# Altium PCB NG2094.PcbDoc (part 1 of 3)
Units mm, origin at the board's own origin, x right, y up, seen from the top; angles counter-clockwise.
Board outline 90 x 30.3 mm, 6 copper layers (Top Layer, Inner Layer 1, Ground 1, Inner Layer 2, Ground 2, Bottom Layer), stack 1.576 mm thick; 164 components, 128 nets, 718 pads, 672 vias.
Unrouted connection lines stored in the file: 11.
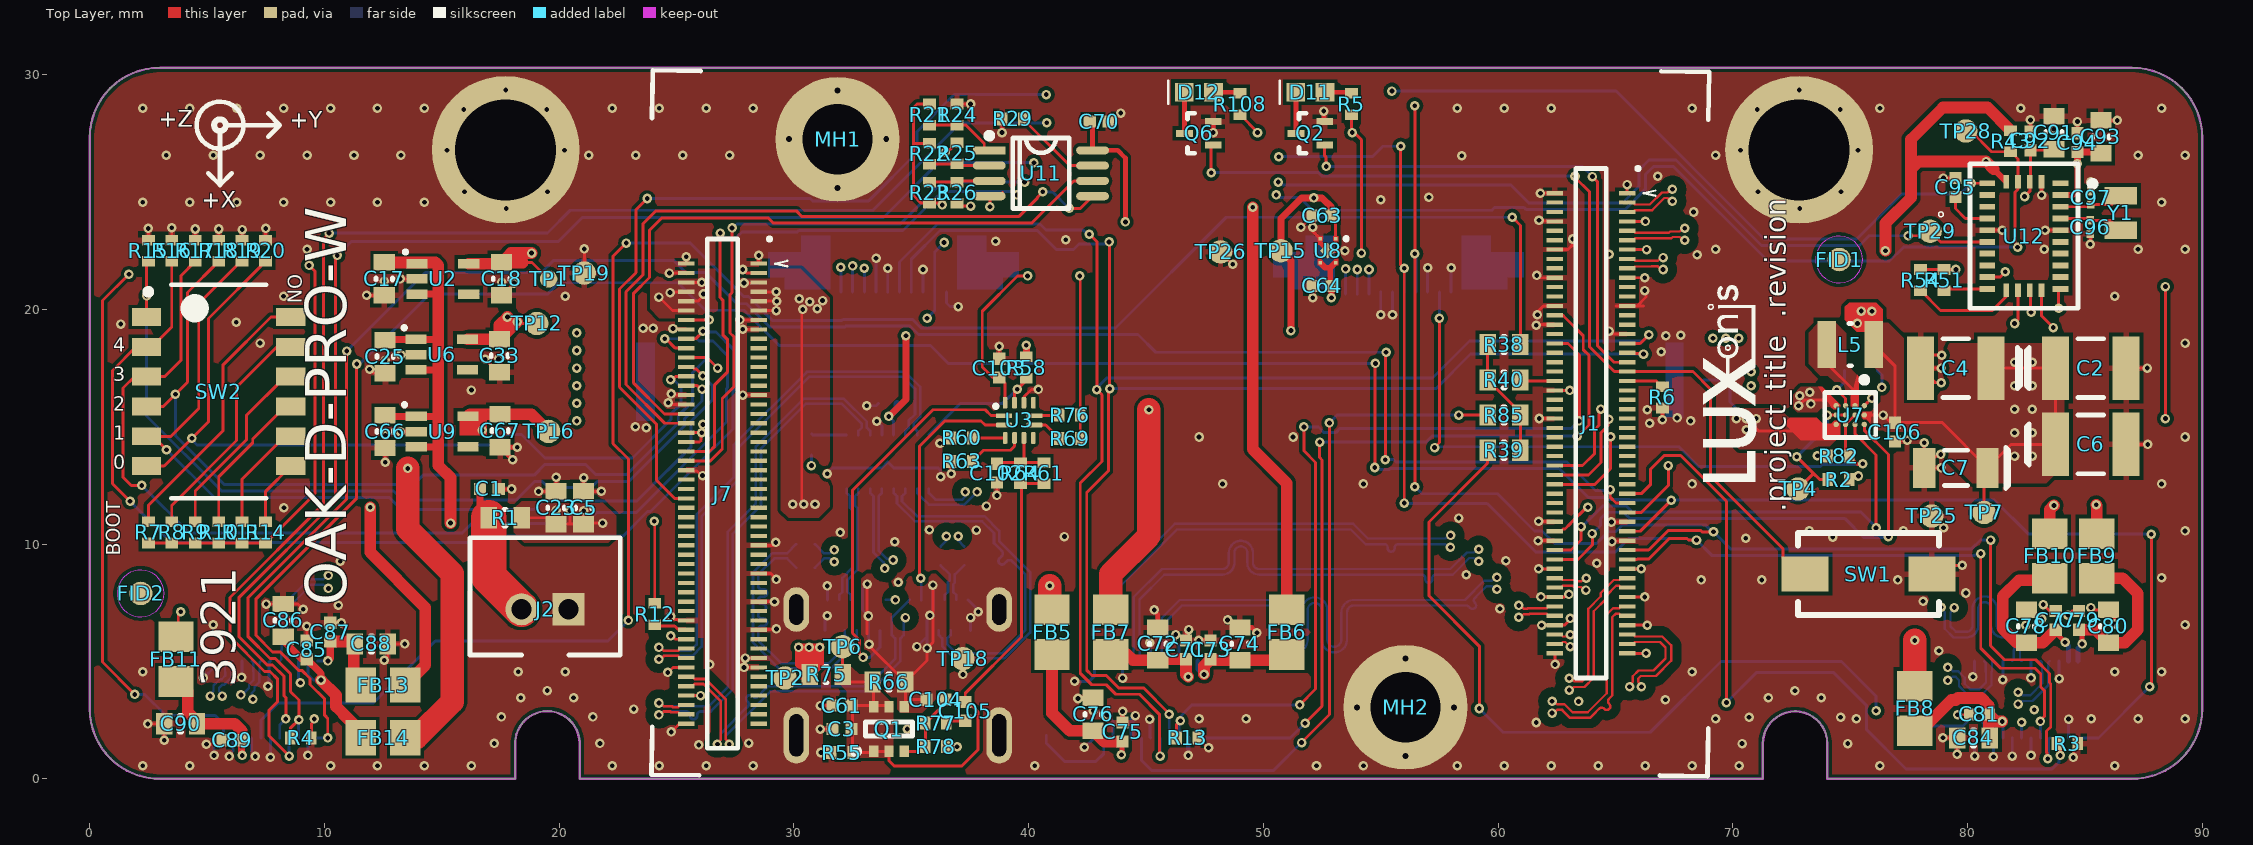
[diagram p0: Top Layer view]
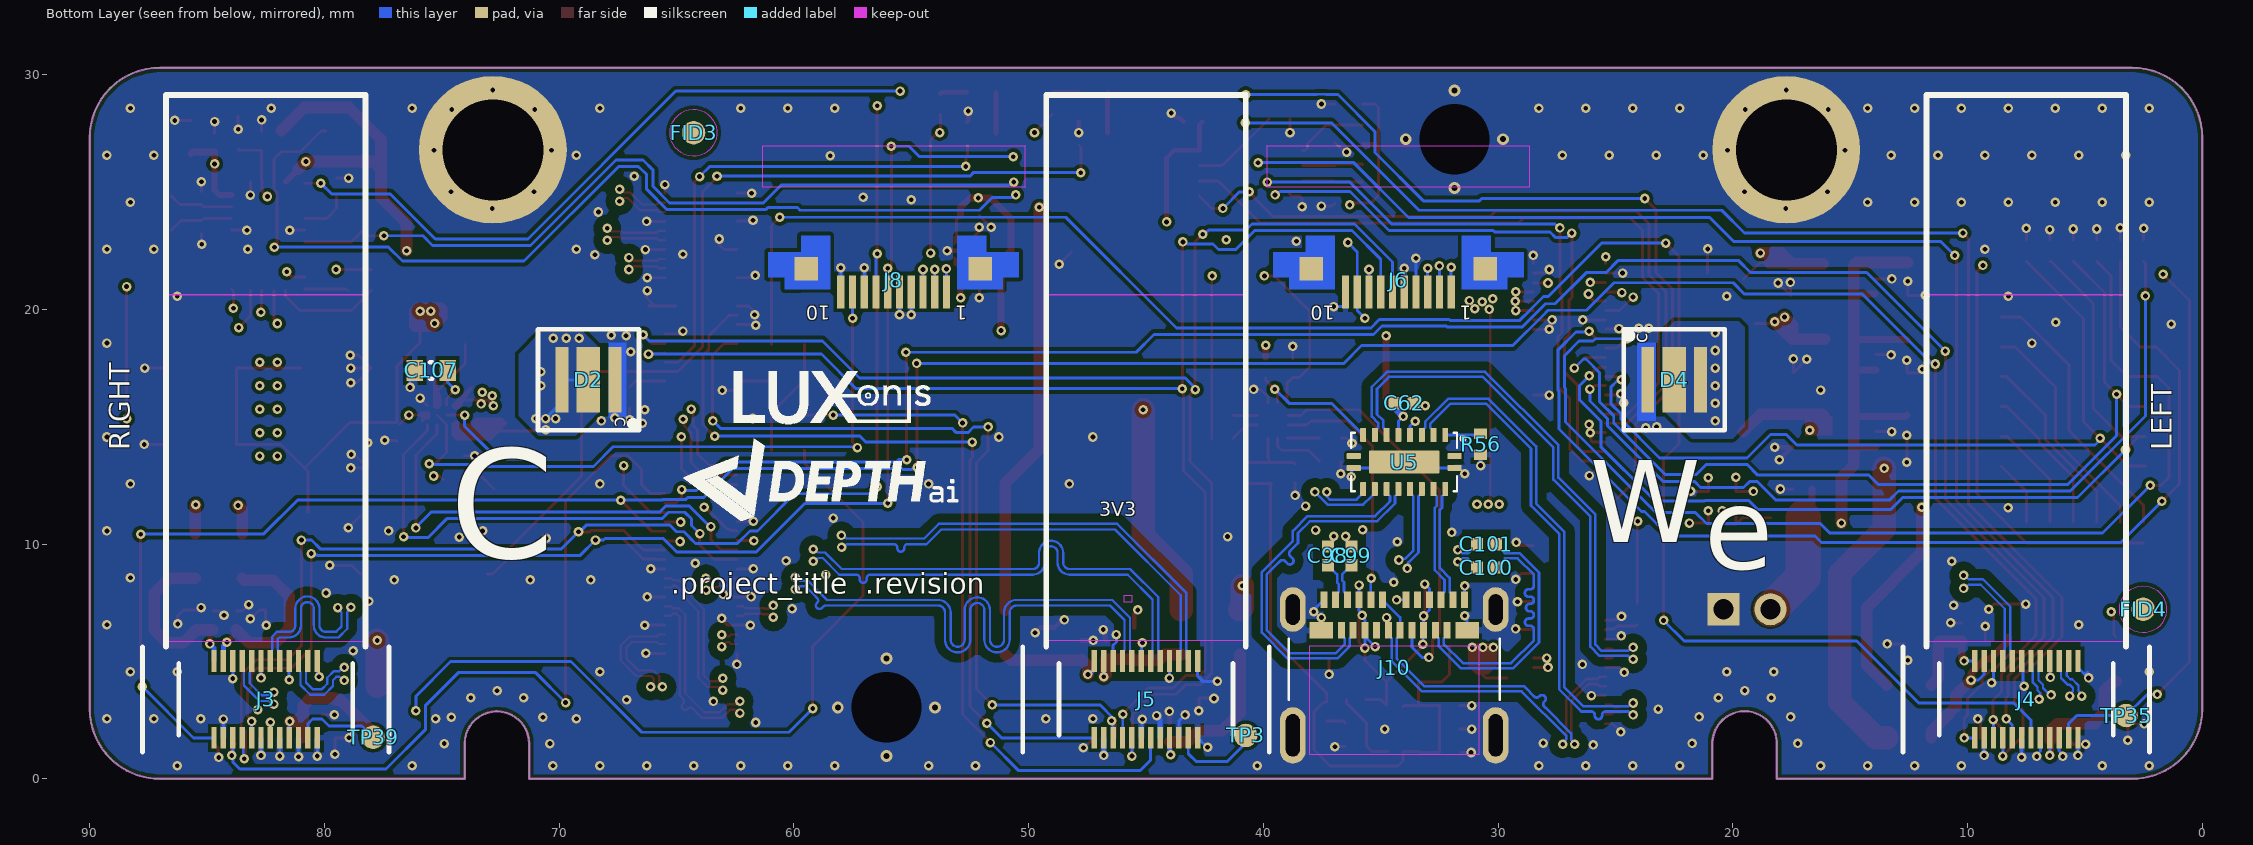
[diagram p1: Bottom Layer view, seen from below]
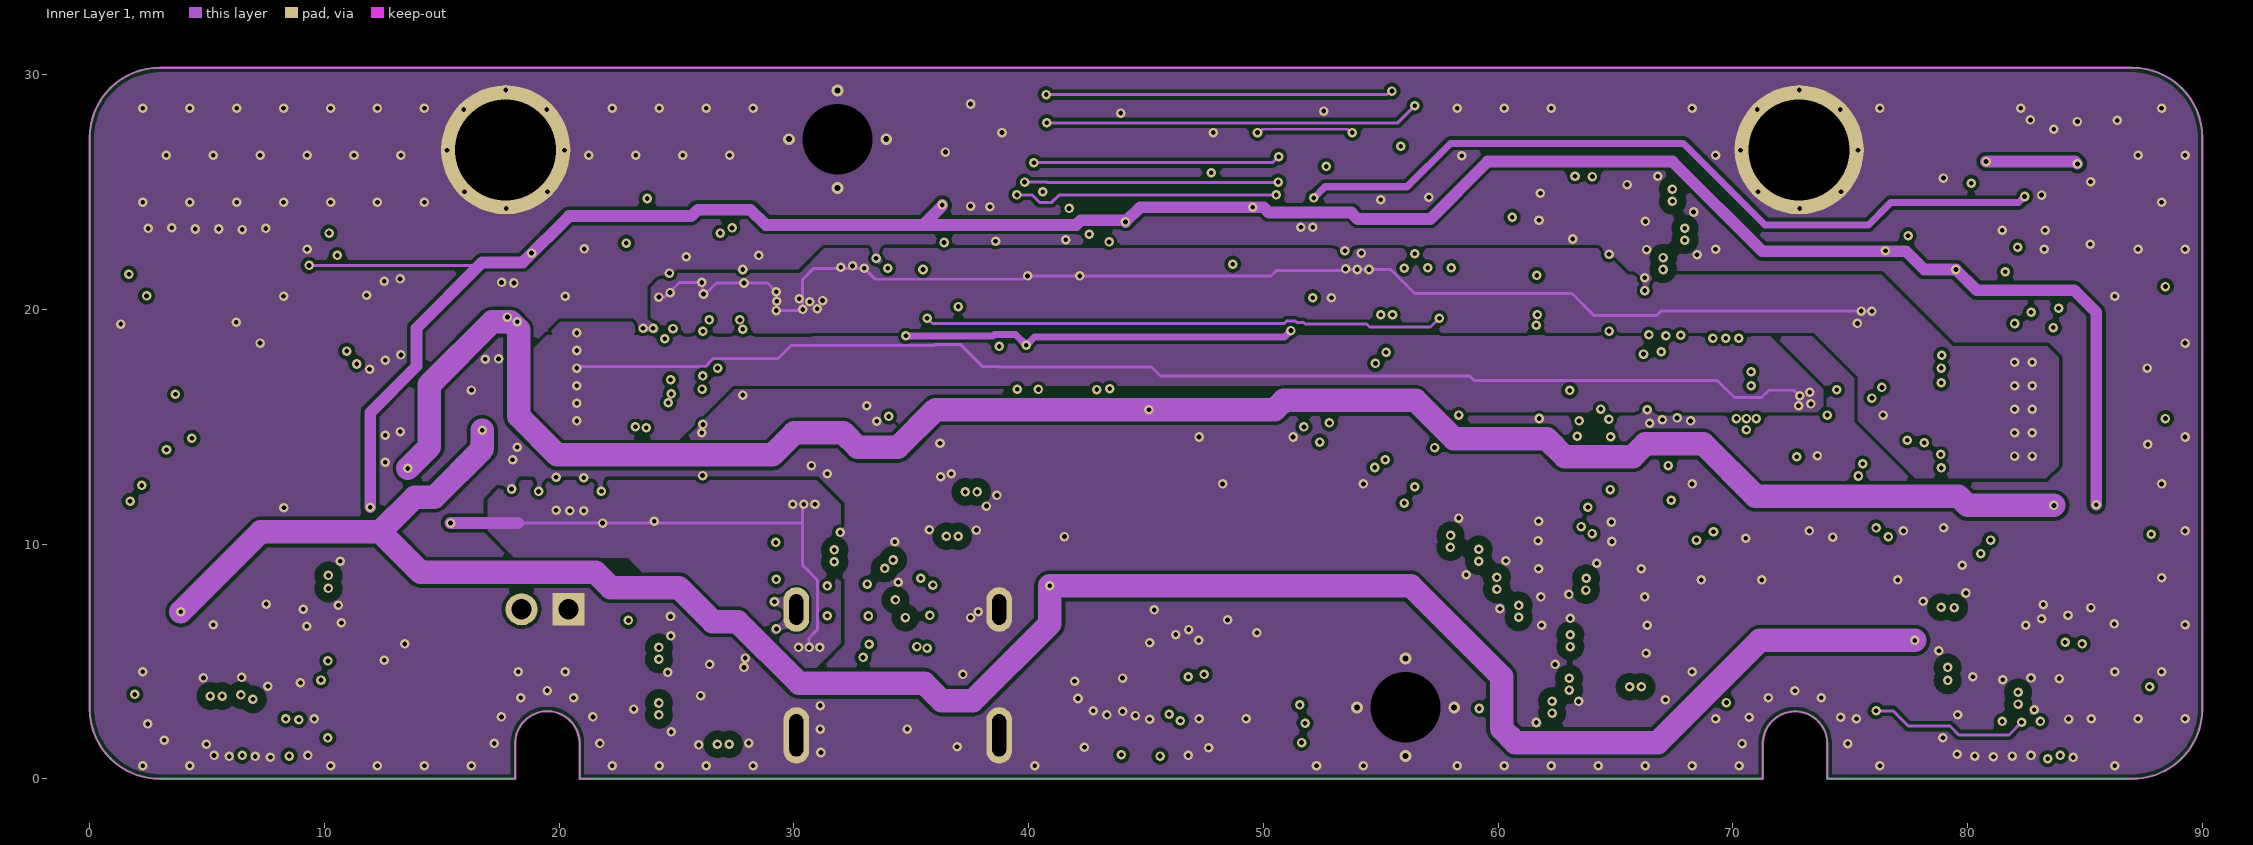
[diagram p2: Inner Layer 1]
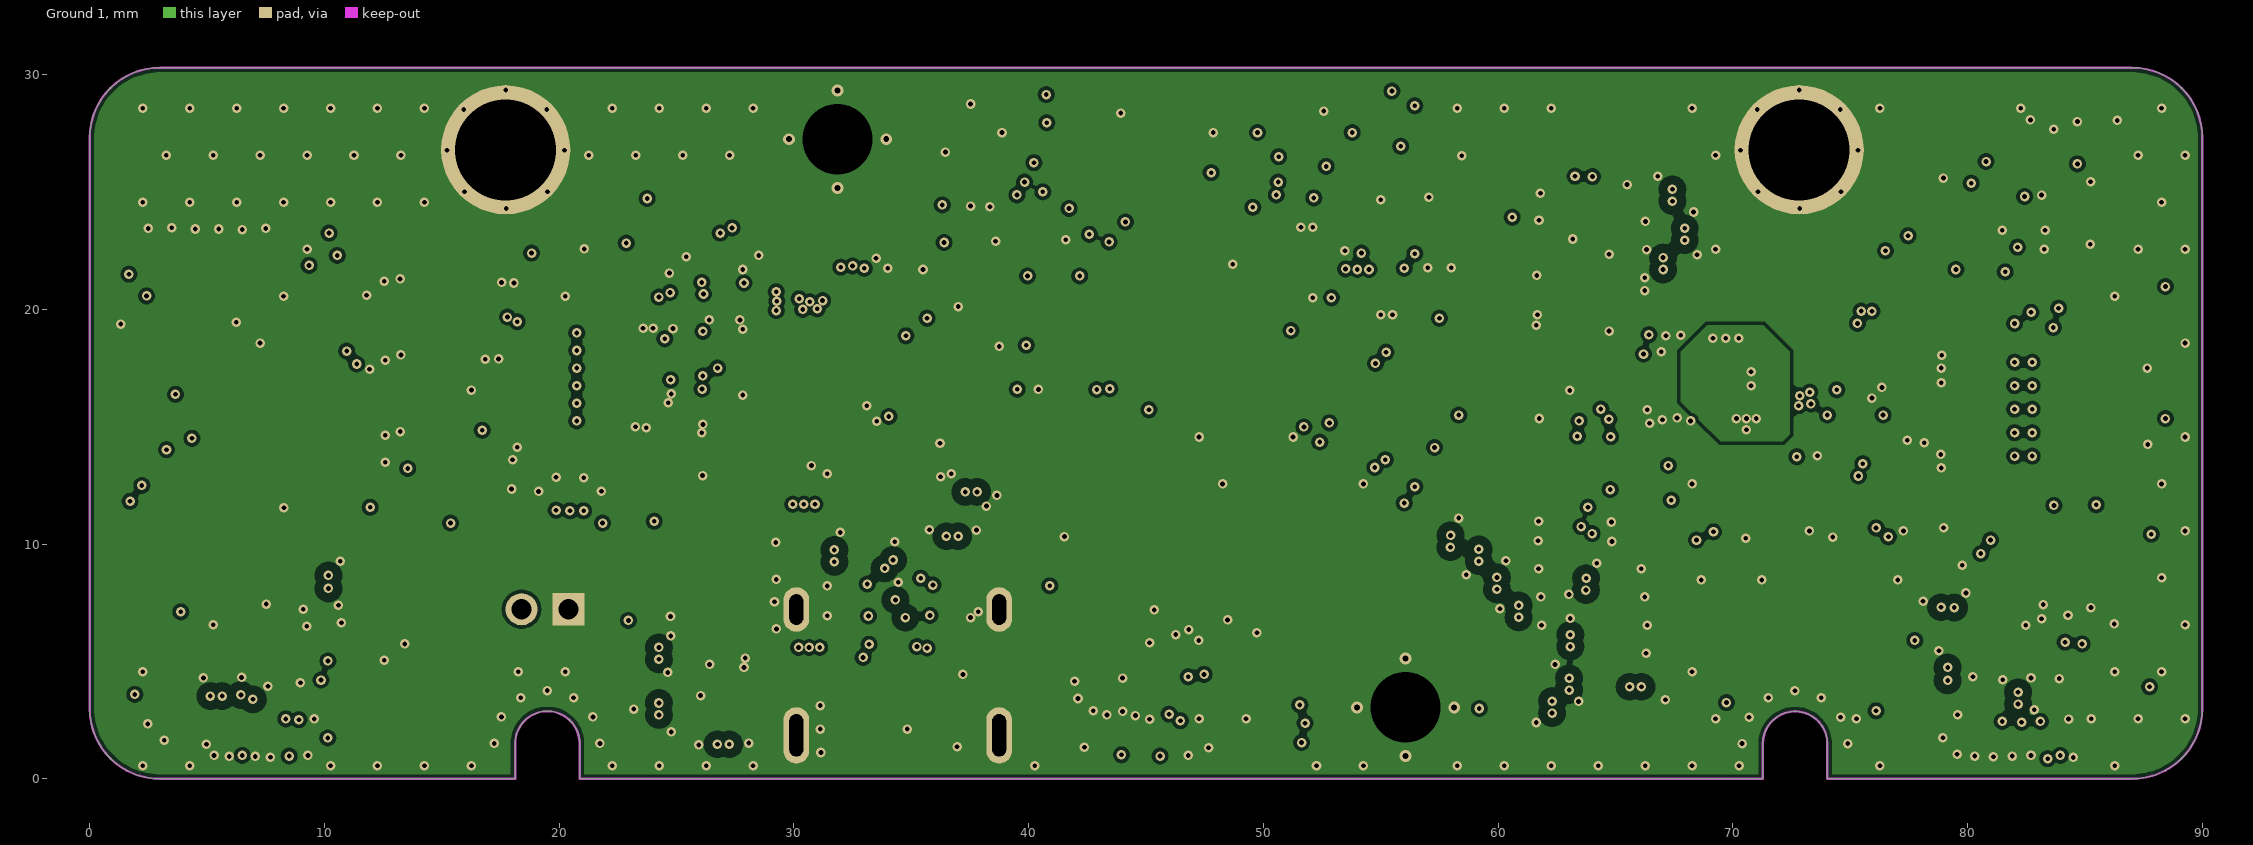
[diagram p3: Ground 1]
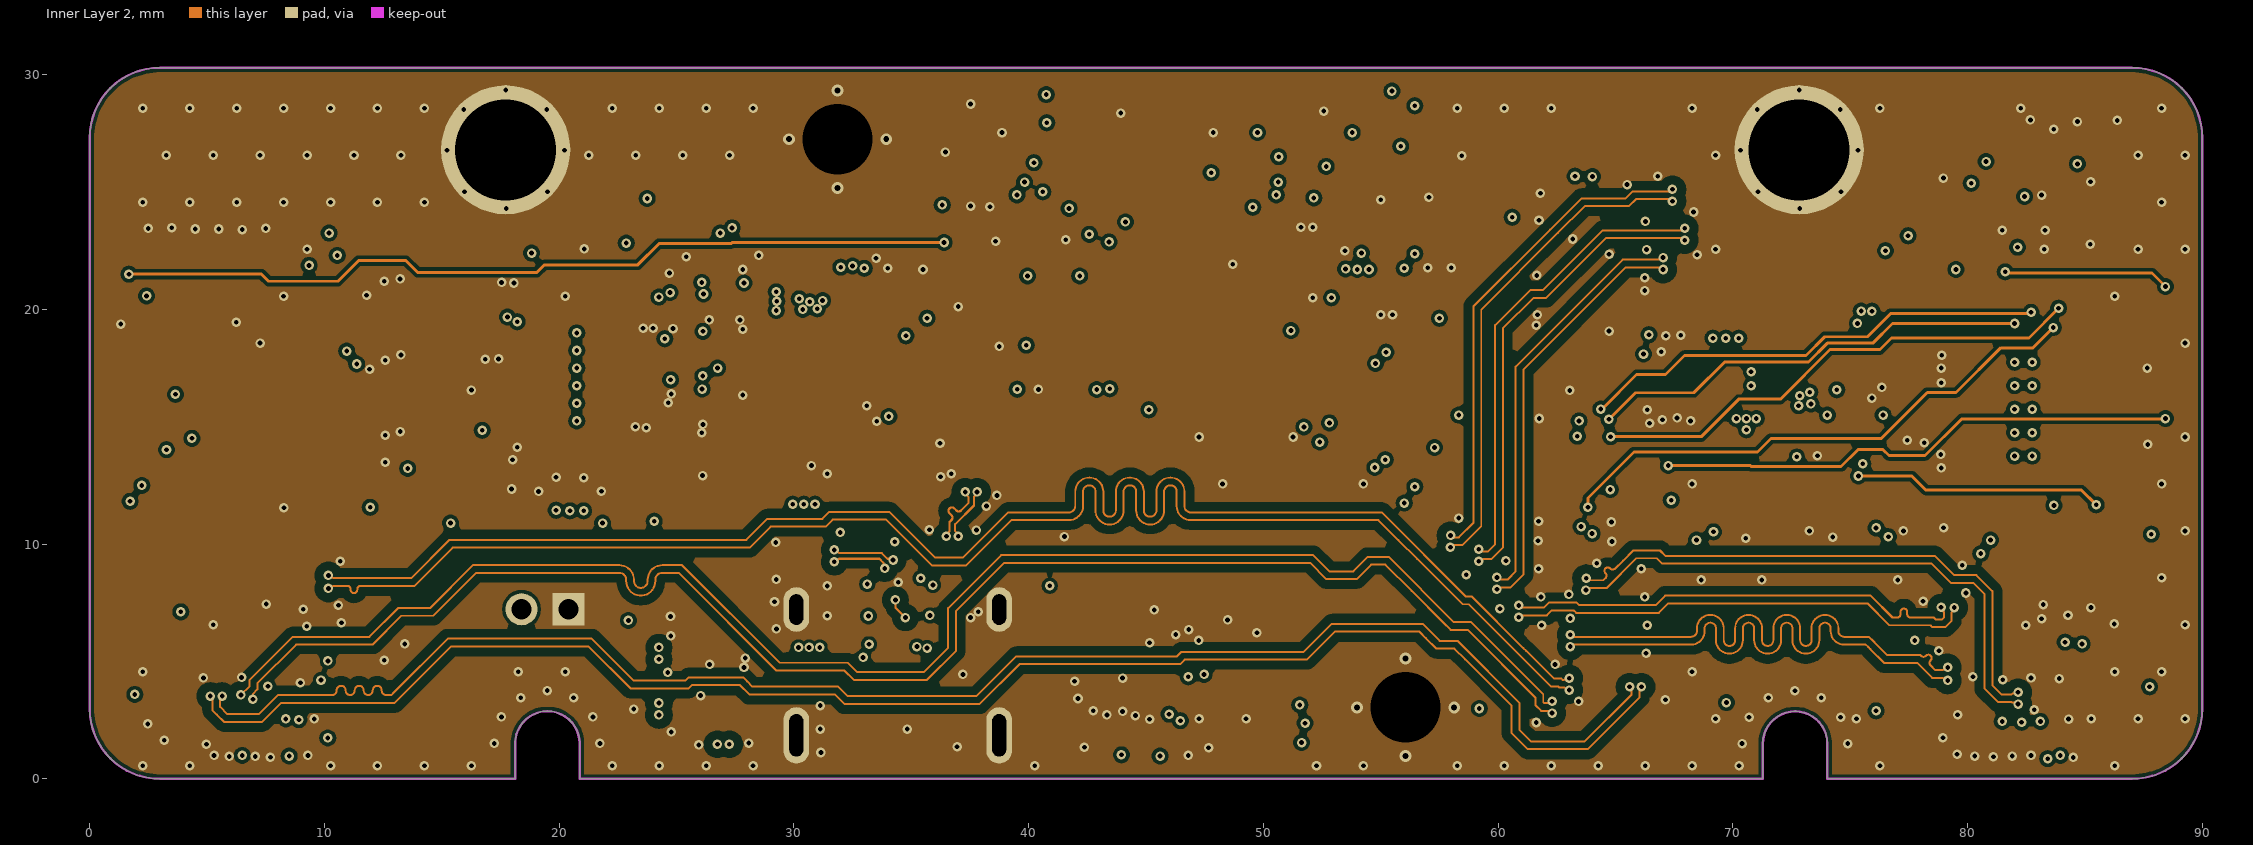
[diagram p4: Inner Layer 2]
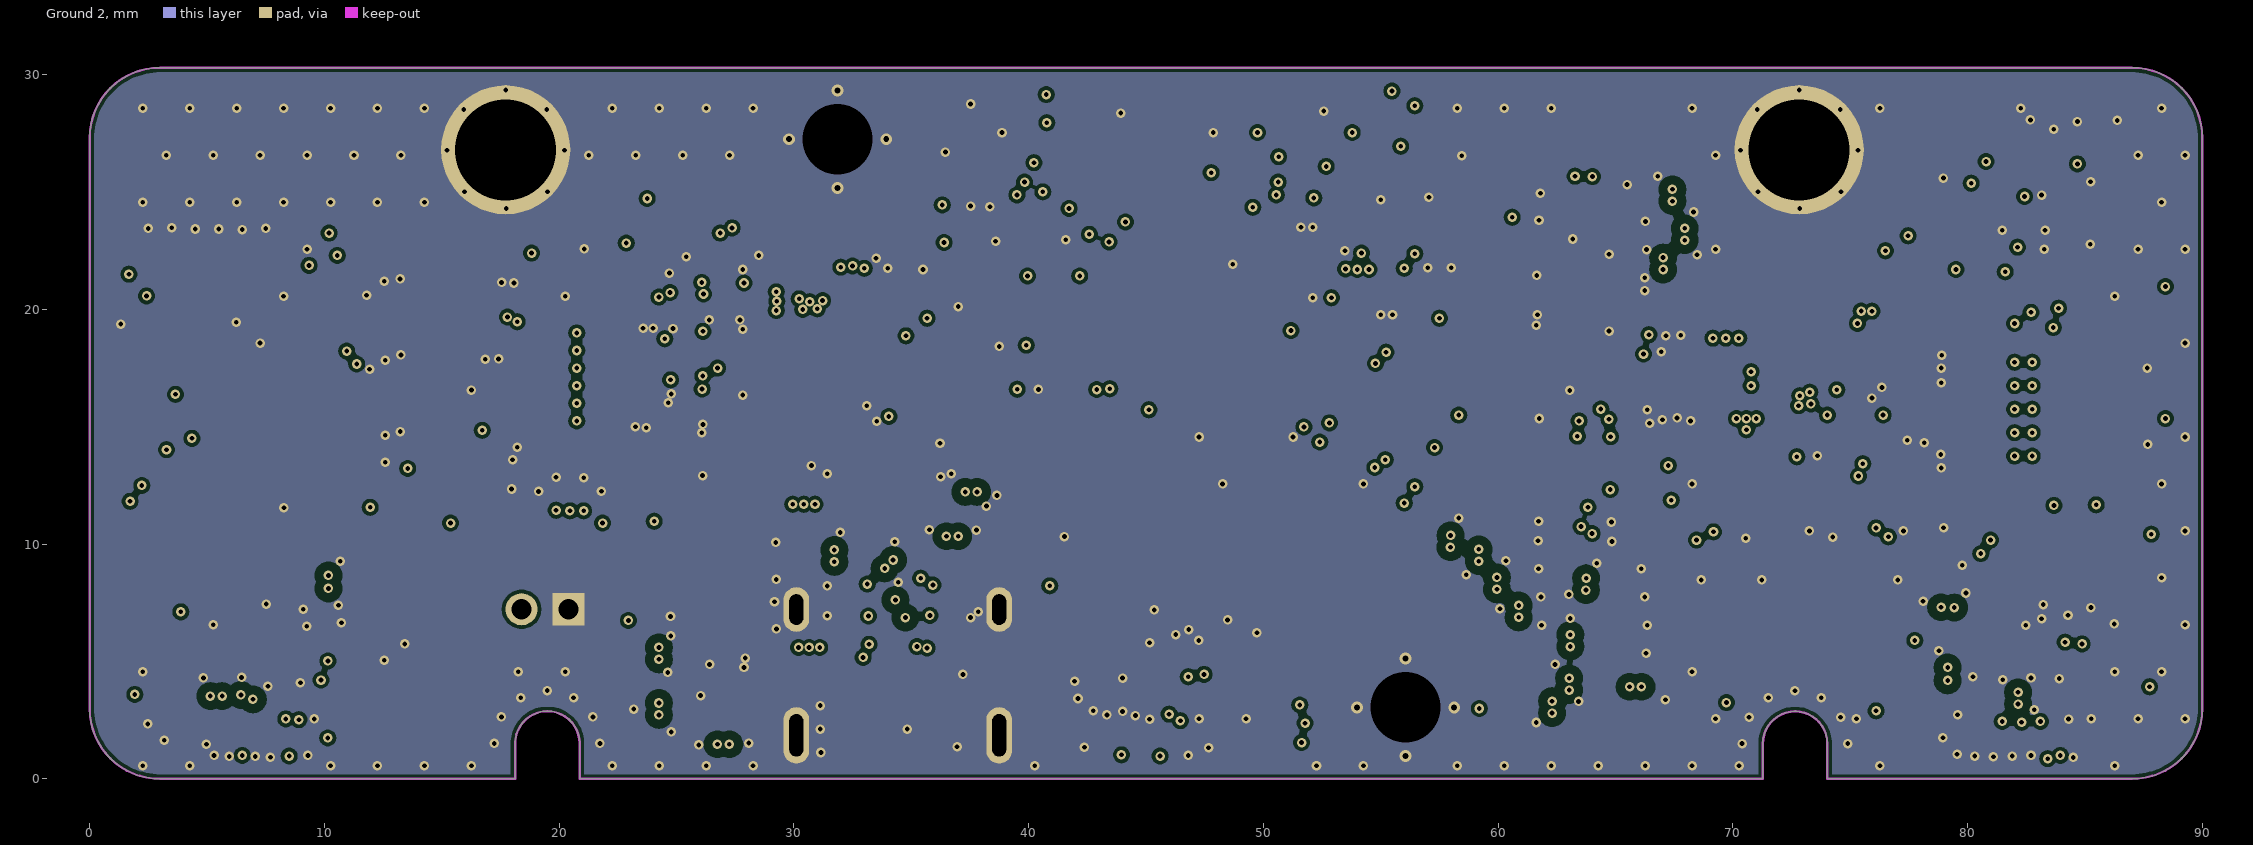
[diagram p5: Ground 2]
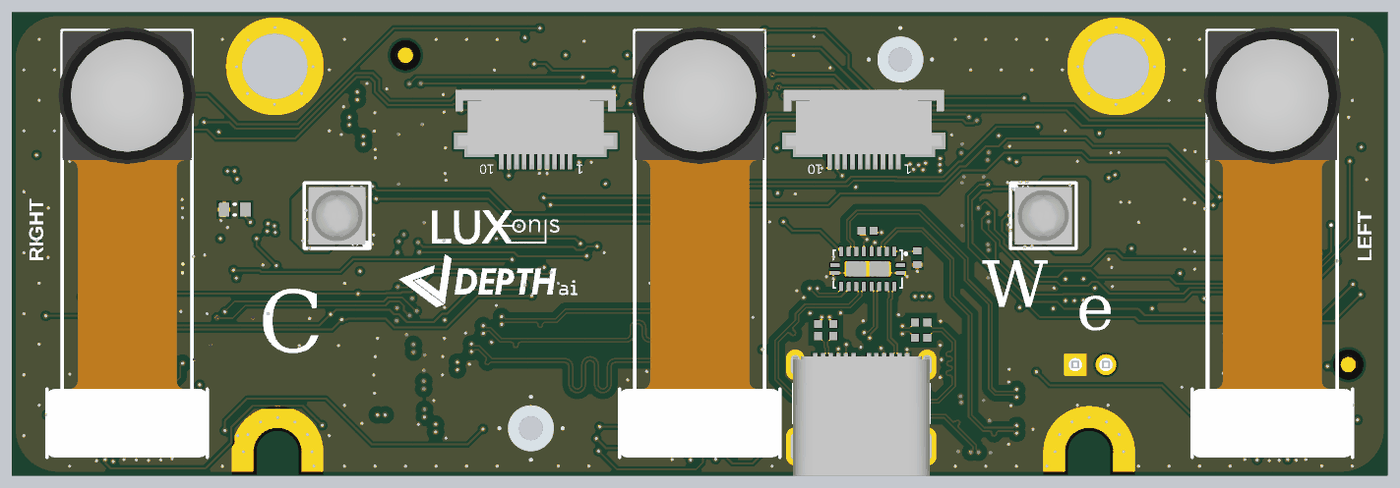
[diagram p8: 3D render of the assembled board from below, using the file's embedded part models]

## Layer stack, top to bottom
Top Solder Mask: solder mask 0.012, Solder Resist, Dk 3.5
Top Layer: signal copper 0.0356
Dielectric 6: prepreg 0.077, PP-006, Dk 4
Inner Layer 1: signal copper 0.025
Dielectric 4: prepreg 0.075, PP-006, Dk 4
Ground 1: signal copper 0.025
Dielectric 1: core 1.1, Core-038, Dk 4.3
Inner Layer 2: signal copper 0.025
Dielectric 5: prepreg 0.076, PP-006, Dk 4
Ground 2: signal copper 0.025
Dielectric 7: prepreg 0.077, PP-006, Dk 4
Bottom Layer: signal copper 0.0356
Bottom Solder Mask: solder mask 0.012, Solder Resist, Dk 3.5

## Board outline
18.125,0 18.125,1.508 cw(c19.5,1.508) 20.875,1.508 20.875,0 71.275,0 71.275,1.5 cw(c72.65,1.5) 74.025,1.5 74.025,0 87,0 ccw(c87,3) 90,3 90,27.3 ccw(c87,27.3) 87,30.3 3,30.3 ccw(c3,27.3) 0,27.3 0,3 ccw(c3,3) 3,0

## Design rules (kind name [scope] priority, off if disabled: settings)
AcuteAngle [All] p1: minimum=1.50000000000000E+0001 checktracksonly=TRUE
AssemblyTestPointUsage [All] p1: valid=2
BoardOutlineClearance [not InNet('GND')] p1: gap=0.2 ignorepadtopadclearanceinfootprint=FALSE
BoardOutlineClearance BoardOutlineClearance_GND [All] p2: gap=0.15 ignorepadtopadclearanceinfootprint=FALSE
Clearance Clearance_diff_to_poly [InPolygon vs (InDifferentialPairClass('All Differential Pairs'))] p1: gap=0.381 ignorepadtopadclearanceinfootprint=FALSE
Clearance Clearance_diff_to_gnd [InNet('GND') vs (InDifferentialPairClass('All Differential Pairs'))] p2: gap=0.1 ignorepadtopadclearanceinfootprint=TRUE
Clearance Clearance_diff_to_diff_intra [(InDifferentialPairClass('All Differential Pairs'))] p3: gap=0.1 ignorepadtopadclearanceinfootprint=TRUE
Clearance Clearance_foot [(HasFootprint('105450-0101') OR HasFootprint('LM3644YFFR') or HasFootprint('HD3SS3212RKSR'))] p4: gap=0.1 ignorepadtopadclearanceinfootprint=FALSE
Clearance Clearance_diff_to_diff [(InDifferentialPairClass('All Differential Pairs'))] p5: gap=0.381 ignorepadtopadclearanceinfootprint=TRUE except(0.1: Arc-SMDPad Track-SMDPad SMDPad-SMDPad)
Clearance Clearance_diff_to_single [(InDifferentialPairClass('All Differential Pairs')) vs (not InDifferentialPairClass('All Differential Pairs'))] p6: gap=0.381 ignorepadtopadclearanceinfootprint=FALSE
Clearance Clearance_default [All] p7: gap=0.15 ignorepadtopadclearanceinfootprint=FALSE
ComponentClearance "BGA Decoupling Clearance" [IsComponent AND OnBottomLayer AND WithinRoom('BGA Decoupling') vs IsComponent AND OnBottomLayer AND WithinRoom('BGA Decoupling')] p1: gap=0 collisioncheckmode=3 verticalgap=0 showdistances=FALSE
ComponentClearance [All] p2: gap=0 collisioncheckmode=3 verticalgap=0 showdistances=TRUE
ComponentOrientations [All] p1: allowedrotations=32
DiffPairsRouting USB [InDifferentialPairClass('USB3')] p1: maxlimit=0.254 minlimit=0.102 mostfreqgap=0.147 toplayer_mingap=0.106 toplayer_maxgap=0.106 toplayer_prefgap=0.106 toplayer_minwidth=0.111 toplayer_maxwidth=0.111 toplayer_prefwidth=0.111 midlayer3_mingap=0.147 midlayer3_maxgap=0.147 midlayer3_minwidth=0.091 midlayer3_maxwidth=0.091 midlayer3_prefwidth=0.091 bottomlayer_mingap=0.105 bottomlayer_maxgap=0.105 bottomlayer_prefgap=0.105 bottomlayer_minwidth=0.111 bottomlayer_maxwidth=0.111 bottomlayer_prefwidth=0.111 impedanceprofiledriven=TRUE impedanceprofileid={297CAB22-67D0-4EEE-AAEA-9CF56FDF7430} impedanceprofilevalue=90.000000 maxuncoupledlength=12.7
DiffPairsRouting MIPI_CAMS [InDifferentialPairClass('100ohm')] p2: maxlimit=0.305 minlimit=0.139 mostfreqgap=0.246 toplayer_mingap=0.141 toplayer_maxgap=0.141 toplayer_prefgap=0.141 toplayer_minwidth=0.098 toplayer_maxwidth=0.098 toplayer_prefwidth=0.098 midlayer3_mingap=0.246 midlayer3_maxgap=0.246 midlayer3_minwidth=0.084 midlayer3_maxwidth=0.084 midlayer3_prefwidth=0.084 bottomlayer_mingap=0.141 bottomlayer_maxgap=0.141 bottomlayer_prefgap=0.141 bottomlayer_minwidth=0.098 bottomlayer_maxwidth=0.098 bottomlayer_prefwidth=0.098 impedanceprofiledriven=TRUE impedanceprofileid={6DED65CD-6D3E-417F-B2BD-E0A524D7D4A3} impedanceprofilevalue=100.000000 maxuncoupledlength=12.7
FabricationTestPointUsage [All] p1: valid=2 allowmultiple=FALSE
HoleSize [All] p1: absolutevalues=TRUE maxlimit=25.4 minlimit=0.102 maxpercent=80.000 minpercent=20.000
HoleToHoleClearance [All] p1: gap=0.076 allowstackedmicrovias=TRUE
MatchedLengths "Schematic Matched Net Lengths_6" [InNetClass('MIPI_CAM_C')] p1: tolerance=25.4 checknetsindiffpair=FALSE checkdiffpairvsdiffpair=TRUE checkxsignals=TRUE checkothers=TRUE usedelayunits=TRUE delaytolerance=1.000000
MatchedLengths "Schematic Matched Net Lengths_5" [InNetClass('MIPI_CAM_A')] p2: tolerance=25.4 checknetsindiffpair=FALSE checkdiffpairvsdiffpair=TRUE checkxsignals=TRUE checkothers=TRUE usedelayunits=TRUE delaytolerance=1.000000
MatchedLengths "Schematic Matched Net Lengths_4" [InNetClass('MIPI_CAM_B')] p3: tolerance=25.4 checknetsindiffpair=FALSE checkdiffpairvsdiffpair=TRUE checkxsignals=TRUE checkothers=TRUE usedelayunits=TRUE delaytolerance=1.000000
MatchedLengths XSIG_USB [InxSignalClass('All xSignals')] p4: tolerance=25.4 checknetsindiffpair=TRUE checkdiffpairvsdiffpair=FALSE checkxsignals=FALSE checkothers=FALSE usedelayunits=TRUE delaytolerance=0.500000
MatchedLengths DifferentialPairs [InDifferentialPairClass('MIPI')] p5: tolerance=0.127 checknetsindiffpair=TRUE checkdiffpairvsdiffpair=FALSE checkxsignals=FALSE checkothers=FALSE usedelayunits=TRUE delaytolerance=0.500000
MinimumAnnularRing [All] p1: minimumring=0.076
MinimumSolderMaskSliver [All] p1: minsoldermaskwidth=0.01
NetAntennae [All] p1: netantennaetolerance=0.025
PlaneConnect [All] p1: pad.planeconnectstyle=Relief pad.reliefexpansion=0.508 pad.reliefentries=4 pad.reliefconductorwidth=0.254 pad.reliefairgap=0.254 via.planeconnectstyle=Direct via.reliefexpansion=0.508 via.reliefentries=4 via.reliefconductorwidth=0.254 via.reliefairgap=0.254
PolygonConnect PolygonConnect_direct [InNetClass('POWER')     or InNetClass('Poly_Direct')] p1: connectstyle=Direct reliefconductorwidth=0.254 reliefentries=4 polygonreliefangle="90 Angle" airgapwidth=0.254
PolygonConnect GenericPoly [All] p2: thpad.connectstyle=Direct thpad.reliefconductorwidth=0.254 thpad.reliefentries=4 thpad.polygonreliefangle="90 Angle" thpad.airgapwidth=0.254 smdpad.connectstyle=Relief smdpad.reliefconductorwidth=0.25 smdpad.reliefentries=4 smdpad.polygonreliefangle="90 Angle" smdpad.airgapwidth=0.15 via.connectstyle=Direct via.reliefconductorwidth=0.254 via.reliefentries=4 via.polygonreliefangle="90 Angle" via.airgapwidth=0.254
RoutingPriority [InNet('No Net')] p1: routingpriority=0
RoutingVias [All] p1: holewidth=0.203 width=0.406 viastyle="Through Hole" minholewidth=0.203 minwidth=0.406 maxholewidth=0.254 maxwidth=0.508
SMDToCorner [All] p1: distance=0
SMDToPlane [All] p1: distance=0
SilkToSilkClearance [All] p1: silktosilkclearance=-0.254
SilkToSolderMaskClearance [IsPad] p1: minsilkscreentomaskgap=-5 clearancetoexposedcopper=TRUE
SolderMaskExpansion SolderMaskExpansion_Via [IsVia] p1: expansion=0.102 istentingtop=TRUE
SolderMaskExpansion [All] p2: expansion=0.051 istentingtop=FALSE
UnRoutedNet [All] p1: checkbadconnections=TRUE
ViasUnderSMD [All] p1: allowed=FALSE
Width Width_default [Not IsDifferentialPair] p1: maxlimit=2 minlimit=0.125 preferedwidth=0.2
17 further rules are at their usual default settings.
